# Altium PCB display.PcbDoc (part 1 of 5) (continued)
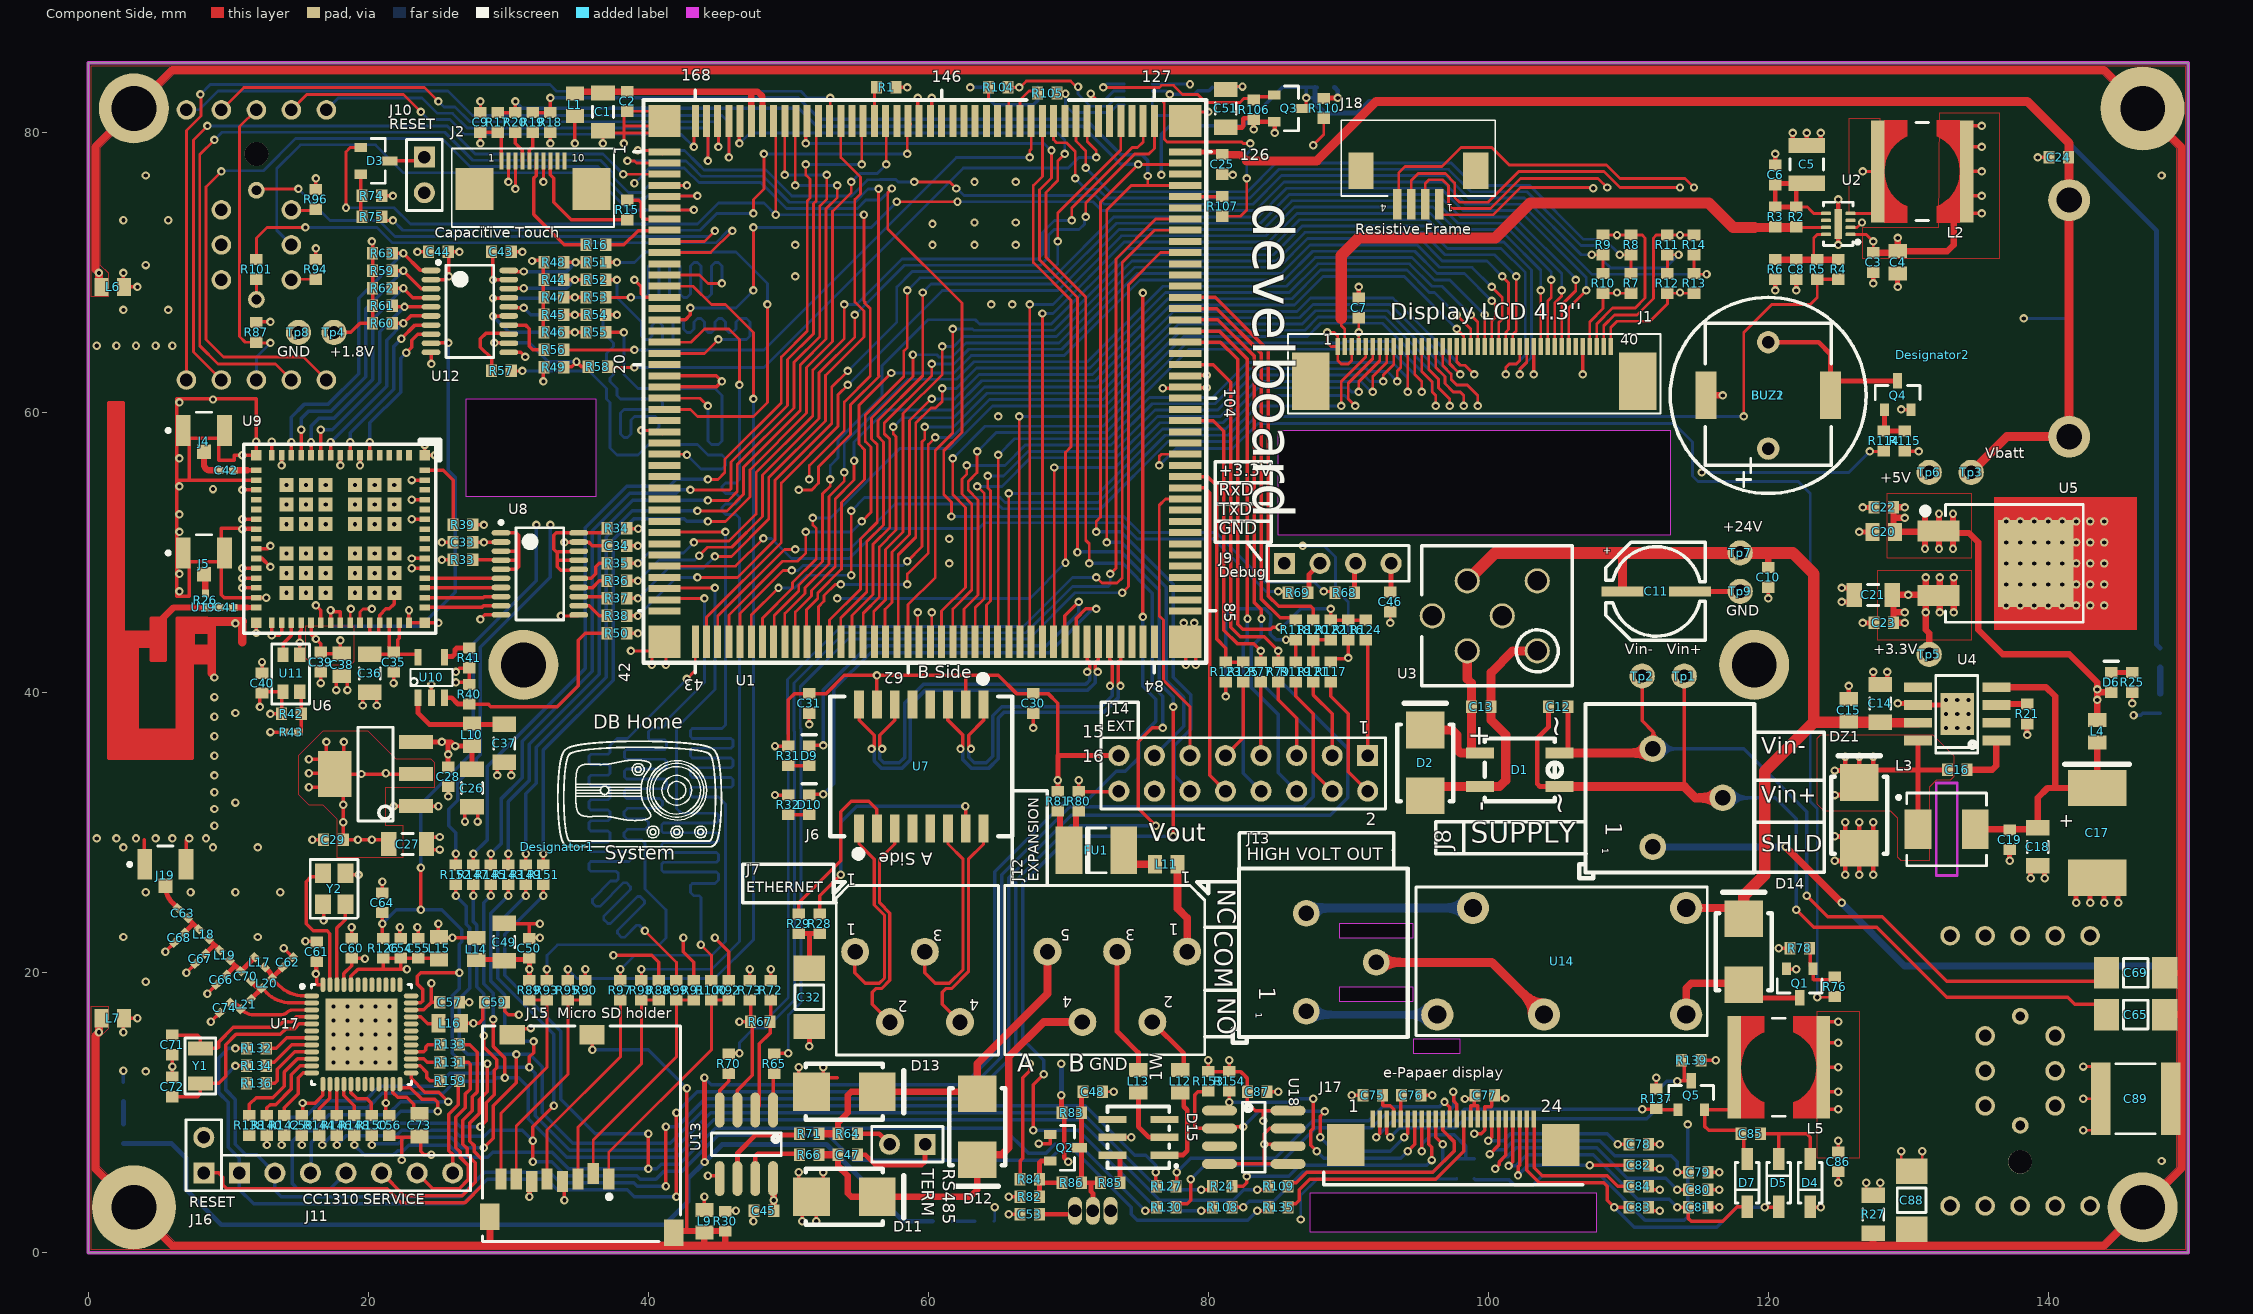
[diagram p0: Component Side view]
## Classes and differential pairs
net class Power: +1.8V +3.3V +5V +5v_out NetC35_2 sw_5V VBatt
component class supply: C10 C11 C12 C13 C14 C15 C16 C17 C18 C19 C20 C21 C22 C23 C24 C25 C26 C27 C28 C29 C65 C69 C88 C89 D1 D2 D6 DZ1 J3 L3 L4 L6 L7 R21 R25 R27 Tp1 Tp2 Tp3 Tp4 Tp5 Tp6 Tp7 Tp8 Tp9 U3 U4 U5 U6
component class connector: C45 C46 C47 C48 C49 C50 D3 D11 D12 D13 D14 D15 D? FU1 J6 J7 J8 J9 J10 J11 J12 J13 J14 J15 J16 L11 L12 L13 L14 Q1 Q2 R64 R65 R66 R67 R68 R69 R70 R71 R72 R73 R74 R75 R76 R77 R78 R79 R80 R81 R82 R83 R84 R85 R86 R87 R88 R89 R90 R91 R92 R93 R94 R95 R96 R97 R98 R99 R100 R101 S2 S3 U13 U14
component class develboard: C1 C2 L1 R1 R143 R145 R147 R149 R151 R152 U1
component class display: C3 C4 C5 C6 C7 C8 C9 C75 C76 C77 C78 C79 C80 C81 C82 C83 C84 C85 C86 C87 D4 D5 D7 J1 J2 J17 J18 L2 L5 Q5 R2 R3 R4 R5 R6 R7 R8 R9 R10 R11 R12 R13 R14 R15 R16 R17 R18 R19 R20 R22 R23 R24 R108 R109 R127 R130 R135 R137 R139 R153 R154 U2 U18
component class ethernet: C30 C31 C32 D9 D10 L9 R28 R29 R30 R31 R32 U7
component class sensor_output: BUZ1 BUZ2 C51 C52 C53 D16 D17 D18 D19 D20 D21 Q3 Q4 R102 R103 R104 R105 R106 R107 R110 R111 R112 R113 R114 R115 R116 R117 R118 R119 R120 R121 R122 R123 R124 R125 U15 U16
component class sub-1Ghz_radio: A1 C54 C55 C56 C57 C58 C59 C60 C61 C62 C63 C64 C66 C67 C68 C70 C71 C72 C73 C74 C90 C91 C92 C93 C94 J19 L15 L16 L17 L18 L19 L20 L21 L37 P1 R126 R131 R132 R133 R134 R136 R138 R140 R142 R144 R146 R148 R150 R159 U17 Y1 Y2 Y3
component class wifi: C33 C34 C35 C36 C37 C38 C39 C40 C41 C42 C43 C44 J4 J5 L10 R26 R33 R34 R35 R36 R37 R38 R39 R40 R41 R42 R43 R44 R45 R46 R47 R48 R49 R50 R51 R52 R53 R54 R55 R56 R57 R58 R59 R60 R61 R62 R63 Tp11 Tp12 Tp13 Tp14 U8 U9 U10 U11 U12 U19
net class LCD: PA0_LCDDAT0_TMS_A7 PA1_LCDDAT1_F6 PA2_LCDDAT2_G1_TXCK_E6 PA3_LCDDAT3_G1_RXCK_C6 PA4_LCDDAT4_G1_TXEN_D6 PA5_LCDDAT5_G1_TXER_B6 PA6_LCDDAT6_G1_CRS_A6 PA7_LCDDAT7_E5 PA8_LCDDAT8_TCK_A5 PA9_LCDDAT9_G1_COL_F4 PA10_LCDDAT10_G1_RXDV_F5 PA11_LCDDAT11_G1_RXER_D5 PA12_LCDDAT12_G1_RX0_G5 PA13_LCDDAT13_G1_RX1_C5 PA14_LCDDAT14_G1_TX0_E4 PA15_LCDDAT15_G1_TX1_B5 PA16_LCDDAT16_NTRST_H6 PA17_LCDDAT17_D4 PA18_LCDDAT18_G1_RX2_G4 PA19_LCDDAT19_G1_RX3_C4 PA20_LCDDAT20_G1_TX2_A3 PA21_LCDDAT21_G1_TX3_B4 PA22_LCDDAT22_G1_MDC_B3 PA23_LCDDAT23_G1_MDIO_A4 PA24_LCDPWM_PCK0_H5 PA25_LCDDISP_TD0_F3 PA26_LCDVSYNC_PWMH0_SP1_NPCS1_E3 PA27_LCDHSYNC_PWML0_SPI1_NPCS2_H4 PA28_LCDPCK_PWMH1_SP1_NPCS3_G3 PA29_LCDDEN_PWML1_J5
net class mmc_con: PE18_MCI1_CK PE19_MCI1_CDA PE20_MCI1_DA0 PE21_MCI1_DA1 PE22_MCI1_DA2 PE23_MCI1_DA3
net class mmc: PE18_TIOA5_MCI1_CK_P19 PE19_TIOB5_MCI1_CDA_N16 PE20_TCLK5_MCI1_DA0_M14 PE21_TIOA4_MCI1_DA1_M18 PE22_TIOB4_MCI1_DA2_M19 PE23_TCLK4_MCI_DA3_L18
net class SDIO_BUS: NetR44_2 NetR45_2 NetR46_2 NetR47_2 NetR48_2 NetR56_1 NetR57_1 NetR106_1
net class SDIO_LOWBUS: clk cmd d0 d1 d2 d3 irq
net class SDIO: PC4_SPI0_NPCS1_MCI0_CK_PCK1_W5_INT PE0_MCI0_CDB_CTS4_W19_INT PE1_MCI0_DB0_U17_INT PE2_MCI0_DB1_T17_INT PE3_MCI0_DB2_P16_INT PE4_MCI0_DB3_U18_INT PE8_TCLK3_PWML3_T19_INT
differential pair usb1: +usb1_p -usb1_n
differential pair usb2: +usb2_p -usb2_n
differential pair usb_otg: +usb_otg_p -usb_otg_n
differential pair crx: +crx_p -crx_n
differential pair ctx: +ctx_p -ctx_n
differential pair rx: +rx_p -rx_n
differential pair tx: +tx_p -tx_n

## Components (designator, comment, footprint, x,y, rotation, side; value= is the part's Value field where it differs from the comment)
BUZ1 "BUZZER" buzzer_14mm_thd 120,61.25 r90 top
BUZ2 "BUZZER" BUZZER_9x9MM_SMD 120,61.25 r0 top
C1 "10uF" 1206_[3216] 36.75,81.5 r270 top
C2 "100nF" 0603_[1608] 38.5,82.25 r270 top value=100pF
C3 "100nF" 0603_[1608] 127.5,70.75 r90 top value=10nF
C4 "1uF" 0805_[2012] 129.25,70.75 r90 top value=10nF
C5 "2.2uF" 1210_[3225] 122.75,77.75 r270 top value=10nF
C6 "100nF" 0603_[1608] 120.5,77 r270 top value=10nF
C7 "100nF" 0603_[1608] 90.75,67.5 r90 top value=10nF
C8 "100nF" 0603_[1608] 122,70.25 r90 top value=10nF
C9 "100nF" 0603_[1608] 28,80.75 r90 top value=10nF
C10 "100nF" 0603_[1608] 120,48.25 r90 top value=100pF
C11 "100uF" CAP_6x6_D8_SMD 112,47.25 r270 top value=10uF
C12 "100nF" 0603_[1608] 105,39 r180 top value=100pF
C13 "100nF" 0603_[1608] 99.5,39 r180 top value=100pF
C14 "10uF" 1206_[3216] 128,39.25 r90 top
C15 "1uF" 0805_[2012] 125.75,38.75 r90 top value=10uF
C16 "10nF" 0603_[1608] 133.5,34.5 r180 top value=100pF
C17 "100uF" [7343]_CAP_TAN 143.5,30 r270 top value=10uF
C18 "10uF" 1206_[3216] 139.25,29 r270 top
C19 "100nF" 0603_[1608] 137.25,29.5 r90 top value=100pF
C20 "1uF" 0805_[2012] 128.25,51.5 r180 top value=10uF
C21 "10uF" 1206_[3216] 127.5,47 r180 top
C22 "100nF" 0603_[1608] 128.25,53.25 r0 top value=100pF
C23 "100nF" 0603_[1608] 128.25,45 r0 top value=100pF
C24 "100nF" 0603_[1608] 140.75,78.25 r0 top value=100pF
C25 "100nF" 0603_[1608] 81,77.75 r90 top value=100pF
C26 "10uF" 1206_[3216] 27.4,33.2 r270 top
C27 "10uF" 1206_[3216] 22.8,29.2 r0 top
C28 "100nF" 0603_[1608] 25.7,34 r90 top value=100pF
C29 "100nF" 0603_[1608] 17.5,29.5 r0 top value=100pF
C30 "100nF" 0603_[1608] 67.5,39.25 r90 top value=100pF
C31 "100nF" 0603_[1608] 51.5,39.25 r90 top value=100pF
C32 "1nF X/Y 2kV" 1808_[4520] 51.5,18.25 r270 top
C33 "100nF" 0603_[1608] 26.75,50.75 r0 top value=10nF
C34 "100nF" 0603_[1608] 37.75,50.5 r180 top value=10nF
C35 "100nF" 0603_[1608] 21.8,42.2 r90 top value=10nF
C36 "10uF" 1206_[3216] 20.1,41.4 r90 top value=10nF
C37 "4.7uF" 1206_[3216] 29.7,36.4 r90 top value=10nF
C38 "1uF" 0805_[2012] 18.1,42 r90 top value=10nF
C39 "100nF" 0603_[1608] 16.6,42.2 r90 top value=10nF
C40 "100nF" 0603_[1608] 12.4,40.7 r270 top value=10nF
C41 "100pF" 0402_[1005] 9.85,46.1 r180 top value=10nF
C42 "100pF" 0402_[1005] 9.85,55.9 r180 top value=10nF
C43 "100nF" 0603_[1608] 29.5,71.5 r180 top value=10nF
C44 "100nF" 0603_[1608] 25,71.5 r0 top value=10nF
C45 "100nF" 0603_[1608] 48.25,3 r0 top value=100pF
C46 "100nF" 0603_[1608] 93,46.5 r270 top value=10nF
C47 "100nF" 0603_[1608] 54.25,7 r180 top value=100pF
C48 "470pF" 0603_[1608] 71.75,11.5 r0 top value=100pF
C49 "10uF" 1206_[3216] 29.7,22.2 r90 top
C50 "100nF" 0603_[1608] 31.5,21.75 r90 top value=100pF
C51 "10uF" 1206_[3216] 81.25,81.75 r90 top
C52 "100nF" 0603_[1608] 81,83.25 r180 bottom value=100pF
C53 "100nF" 0603_[1608] 67.25,2.75 r0 top value=100pF
C54 "100nF" 0603_[1608] 22.3,21.75 r270 top value=100pF
C55 "100nF" 0603_[1608] 23.55,21.75 r270 top value=100pF
C56 "100nF" 0603_[1608] 21.5,9.1 r90 top value=100pF
C57 "22nF" 0603_[1608] 25.8,17.9 r180 top value=100pF
C58 "100nF" 0603_[1608] 15.25,9.1 r90 top value=100pF
C59 "22nF" 0603_[1608] 29,17.9 r180 top value=100pF
C60 "100nF" 0603_[1608] 18.8,21.75 r270 top value=100pF
C61 "100nF" 0603_[1608] 16.3,21.5 r270 top value=100pF
C62 "3.6pF" 0402_[1005] 14.25,20.75 r225 top
C63 "100pF" 0402_[1005] 6.75,24.25 r135 top
C64 "100nF" 0603_[1608] 21,25 r270 top value=100pF
C65 "Cap X/Y 2kV" 1808_[4520] 146.25,17.015 r0 top
C66 "2.7pF" 0402_[1005] 9.5,19.5 r225 top
C67 "6.2pF" 0402_[1005] 8,21 r225 top
C68 "3pF" 0402_[1005] 6.5,22.5 r225 top
C69 "Cap X/Y 2kV" 1808_[4520] 146.25,20 r180 top
C70 "3.6pF" 0402_[1005] 11.25,19.75 r135 top
C71 "12pF" 0603_[1608] 6,14.85 r90 top value=100pF
C72 "12pF" 0603_[1608] 6,11.85 r270 top value=100pF
C73 "1uF" 0805_[2012] 23.65,9.1 r90 top value=100pF
C74 "100pF" 0402_[1005] 9.75,17.5 r225 top
C75 "1uF" 0603_[1608] 91.75,11.25 r180 top value=10nF
C76 "1uF" 0603_[1608] 94.5,11.25 r0 top value=10nF
C77 "100nF" 0603_[1608] 99.75,11.25 r0 top value=10nF
C78 "1uF" 0603_[1608] 110.75,7.75 r0 top value=10nF
C79 "1uF" 0603_[1608] 115,5.75 r0 top value=10nF
C80 "1uF" 0603_[1608] 115,4.5 r0 top value=10nF
C81 "1uF" 0603_[1608] 115,3.25 r0 top value=10nF
C82 "1uF" 0603_[1608] 110.75,6.25 r0 top value=10nF
C83 "1uF" 0603_[1608] 110.75,3.25 r0 top value=10nF
C84 "1uF" 0603_[1608] 110.75,4.75 r0 top value=10nF
C85 "100nF" 0603_[1608] 118.75,8.5 r180 top value=10nF
C86 "4.7uF" 0603_[1608] 125,6.5 r270 top value=10nF
C87 "100nF" 0603_[1608] 83.5,11.5 r0 top
C88 "1nF X/Y 2kV" 1808_[4520] 130.25,3.75 r90 top
C89 "10nF X/Y 2kV" 2220_[5650] 146.25,11 r180 top
D1 "Bridge Diode" Diode_bridge_smd 102.25,34.5 r270 top
D2 "SMBJ28A" DO214AA_K1-A2_SMB 95.5,35 r270 top
D3 "BAV70" SOT-23 20.5,78 r0 top
D4 "MBR0530" SOD-123_K2-A1 123,5 r270 top
D5 "MBR0530" SOD-123_K2-A1 120.75,5 r90 top
D6 "+5V" 0603_[1608]_K2-A1_LED 144.5,40.75 r90 top
D7 "MBR0530" SOD-123_K2-A1 118.5,5 r270 top
D9 "SPEED" 0603_[1608]_K2-A1_LED 51.5,35.5 r90 top
D10 "LINK" 0603_[1608]_K2-A1_LED 51.5,32 r90 top
D11 "SMBJ12CA" DO214AA_K1-A2_SMB 54,4 r180 top
D12 "SMBJ12CA" DO214AA_K1-A2_SMB 63.5,9 r90 top
D13 "SMBJ12CA" DO214AA_K1-A2_SMB 54,11.5 r180 top
D14 "S2B" DO214AA_K1-A2_SMB 118.25,21.5 r270 top
D15 "DS9503" TSOC6 75,8.25 r180 top
D16 "IR LED0" 0603_[1608]_K2-A1_LED 88.5,83.25 r0 bottom
D17 "IR LED1" 0603_[1608]_K2-A1_LED 61,2.25 r0 bottom
D18 "IR LED1" 0603_[1608]_K2-A1_LED 2.5,8.5 r90 bottom
D19 "IR LED1" 0603_[1608]_K2-A1_LED 148,42.5 r270 bottom
Designator1 "Comment" DB_HOME 33.5,29 r0 top
Designator2 "Comment" db_firma 131.75,64.15 r0 top
Designator10 "Comment" DB_HOME 143.75,27 r180 bottom
Designator20 "Comment" db_firma 121.75,4.15 r180 bottom
DZ1 "B340A" DO214AA_K1-A2_SMB 126.5,31.25 r270 top
FU1 "MF-MSMF030" 1812-[4532] 72,28.75 r0 top
J1 "Display LCD 4.3''" fcc-zif_40pin_0.5mm 99,63.75 r0 top locked
J2 "Capacitive Touch" fcc-zif_10pin_0.5mm 31.75,77 r0 top
J3 "Battery Holder" Battery_holder_16mm_thd 141.5,66.75 r90 bottom
J4 "Coaxial Antenna connector" U.FL_COAXIAL_2.6x2.6MM_STRAIGHT_SMD 8.25,58.75 r0 top
J5 "Coaxial Antenna connector" U.FL_COAXIAL_2.6x2.6MM_STRAIGHT_SMD 8.25,50 r0 top
J6 "ETHERNET" CON_4P_WAGO_2.5MM 59.218,20.19 r180 top
J7 "RS485 TERM" HEADER_1X2_2.54MM_THD 58.5,7.75 r180 top
J8 "SUPPLY" CON_3P_WAGO_3.5mm 114.25,32.5 r270 top
J9 "Debug" HEADER_1X4_2.54MM_THD 89.25,49.25 r0 top
J10 "RESET" HEADER_1X2_2.54MM_THD 24,77 r270 top
J11 "CC1310 SERVICE" HEADER_1X7_2.54MM_THD 18.4,5.7 r0 top locked
J12 "EXPANSION" CON_5P_WAGO_2.5MM 73.5,19 r180 top
J13 "HIGH VOLT OUT" CON_3P_WAGO_3.5mm 89.5,20.75 r270 top locked
J14 "EXT" HEADER_2X8_2.54MM_THD 82.5,34.25 r180 top
J15 "Micro SD holder" micro_sd_holder_pp 35.25,8.5 r180 top locked
J16 "RESET" HEADER_1X2_2.54MM_THD 8.24,6.97 r90 top
J17 "e-Papaer display" fcc-zif_24pin_0.5mm 97.5,7 r0 top locked
J18 "Resistive Frame" fcc-zif_4pin_1mm 95,76.1 r180 top
J19 "Coaxial Antenna connector" U.FL_COAXIAL_2.6x2.6MM_STRAIGHT_SMD 5.5,27.75 r0 top
L1 "220 ohm @ 100MHz" 0805_[2012] 34.75,82 r90 top
L2 "22uH  WE 744062220" WE-TPC-6823-X 131,77.25 r0 top
L3 "10uH  WE 74437334100" WE-LHMI_5020 132.75,30.25 r0 top value=10mH
L4 "220 ohm @ 100MHz" 0805_[2012] 143.5,37.25 r270 top
L5 "68uH" WE-TPC-6823-X 120.75,13.25 r180 top
L6 "220 ohm @ 100MHz" 0805_[2012] 1.75,69 r180 top
L7 "220 ohm @ 100MHz" 0805_[2012] 1.75,16.75 r180 top
L9 "220 ohm @ 100MHz" 0805_[2012] 44,2.25 r90 top
L10 "220 ohm @ 100MHz" 0805_[2012] 27.4,37 r270 top
L11 "220 ohm @ 100MHz" 0805_[2012] 77,27.75 r0 top value=10mH
L12 "220 ohm @ 100MHz" 0805_[2012] 78,12.25 r90 top value=10mH
L13 "220 ohm @ 100MHz" 0805_[2012] 75,12.25 r90 top value=10mH
L14 "220 ohm @ 100MHz" 0805_[2012] 27.7,21.7 r270 top
L15 "220 ohm @ 100MHz" 0805_[2012] 25.05,21.75 r90 top
L16 "6.8uH" 0805_[2012] 25.8,16.4 r180 top
L17 "7.5nH" 0402_[1005] 12.25,20.75 r135 top
L18 "6.8nH" 0402_[1005] 8.25,22.75 r135 top
L19 "6.8nH" 0402_[1005] 9.75,21.25 r135 top
L20 "27nH" 0402_[1005] 12.75,19.25 r225 top
L21 "7.5nH" 0402_[1005] 11.25,17.75 r45 top
Q1 "BC817" SOT-23 122.25,19.25 r270 top
Q2 "BSS138" sot-23 69.75,7.5 r0 top
Q3 "MOSFET P" SOT-23 85.75,81.75 r0 top
Q4 "BC817" SOT-23 129.25,61.25 r90 top
Q5 "MOSFET N" sot-23 114.5,11.25 r90 top
R1 "NP" 0603_[1608] 57,83.25 r180 top
R2 "10R 1%" 0603_[1608] 122,74 r90 top value=1K
R3 "NP" 0603_[1608] 120.5,74 r90 top value=1K
R4 "390k 1%" 0603_[1608] 125,70.25 r270 top value=1K
R5 "820k 1%" 0603_[1608] 123.5,70.25 r90 top value=1K
R6 "220k 1%" 0603_[1608] 120.5,70.25 r270 top value=1K
R7 "0R" 0603_[1608] 110.2,69.25 r90 top value=1K
R8 "NP" 0603_[1608] 110.2,72 r270 top value=1K
R9 "0R" 0603_[1608] 108.2,72 r270 top value=1K
R10 "NP" 0603_[1608] 108.2,69.25 r90 top value=1K
R11 "0R" 0603_[1608] 112.8,72 r270 top value=1K
R12 "NP" 0603_[1608] 112.8,69.25 r90 top value=1K
R13 "0R" 0603_[1608] 114.7,69.25 r90 top value=1K
R14 "NP" 0603_[1608] 114.7,72 r270 top value=1K
R15 "0R" 0603_[1608] 38.5,74.5 r90 top value=1K
R16 "0R" 0603_[1608] 36.25,72 r0 top value=1K
R17 "4K7" 0603_[1608] 29.25,80.75 r90 top value=1K
R18 "4K7" 0603_[1608] 33,80.75 r90 top value=1K
R19 "0R" 0603_[1608] 31.75,80.75 r90 top value=1K
R20 "0R" 0603_[1608] 30.5,80.75 r90 top value=1K
R21 "68k" 0603_[1608] 138.5,38.5 r90 top
R22 "22R" 0603_[1608] 99,6 r270 bottom value=1K
R23 "22R" 0603_[1608] 97.75,6 r270 bottom value=1K
R24 "22R" 0603_[1608] 81,4.75 r180 top value=1K
R25 "3k9" 0603_[1608] 146,40.75 r90 top
R26 "NP" 0402_[1005] 8.35,46.6 r270 top value=1K
R27 "10M" 1206_[3216] 127.5,2.75 r270 top
R28 "75R" 0603_[1608] 52.25,23.5 r90 top
R29 "75R" 0603_[1608] 50.75,23.5 r90 top
R30 "0R" 0603_[1608] 45.5,2.25 r90 top value=0
R31 "470R" 0603_[1608] 50,35.5 r90 top value=1K
R32 "470R" 0603_[1608] 50,32 r90 top value=1K
R33 "100k" 0603_[1608] 26.75,49.5 r180 top value=1K
R34 "100k" 0603_[1608] 37.75,51.75 r0 top value=1K
R35 "22R" 0603_[1608] 37.75,49.25 r180 top value=1K
R36 "22R" 0603_[1608] 37.75,48 r180 top value=1K
R37 "22R" 0603_[1608] 37.75,46.75 r180 top value=1K
R38 "22R" 0603_[1608] 37.75,45.5 r180 top value=1K
R39 "NP" 0603_[1608] 26.75,52 r0 top value=1K
R40 "10k" 0603_[1608] 27.2,39.9 r270 top value=1K
R41 "470R" 0603_[1608] 27.2,42.5 r270 top value=1K
R42 "0R" 0603_[1608] 14.5,38.5 r0 top value=1K
R43 "NP" 0402_[1005] 14.5,37.2 r0 top value=1K
R44 "10k" 0603_[1608] 33.25,69.5 r0 top value=1K
R45 "10k" 0603_[1608] 33.25,67 r0 top value=1K
R46 "10k" 0603_[1608] 33.25,65.75 r0 top value=1K
R47 "10k" 0603_[1608] 33.25,68.25 r0 top value=1K
R48 "10k" 0603_[1608] 33.25,70.75 r0 top value=1K
R49 "10k" 0603_[1608] 33.25,63.25 r0 top value=1K
R50 "22R" 0603_[1608] 37.75,44.25 r180 top value=1K
R51 "22R" 0603_[1608] 36.25,70.75 r0 top value=1K
R52 "22R" 0603_[1608] 36.25,69.5 r0 top value=1K
R53 "22R" 0603_[1608] 36.25,68.25 r0 top value=1K
R54 "22R" 0603_[1608] 36.25,67 r0 top value=1K
R55 "22R" 0603_[1608] 36.25,65.75 r0 top value=1K
R56 "22R" 0603_[1608] 33.25,64.5 r0 top value=1K
R57 "22R" 0603_[1608] 29.5,63 r0 top value=1K
R58 "22R" 0603_[1608] 36.4,63.3 r0 top value=1K
R59 "NP" 0603_[1608] 21,70.15 r0 top value=1K
R60 "NP" 0603_[1608] 21,66.4 r0 top value=1K
R61 "NP" 0603_[1608] 21,67.65 r0 top value=1K
R62 "NP" 0603_[1608] 21,68.9 r0 top value=1K
R63 "NP" 0603_[1608] 21,71.4 r0 top value=1K
R64 "120R" 0603_[1608] 54.25,8.5 r180 top
R65 "22R" 0603_[1608] 49,13.5 r90 top value=1K
R66 "22R" 0603_[1608] 51.5,7 r0 top
R67 "NP" 0603_[1608] 48,16.5 r180 top
R68 "22R" 0603_[1608] 89.75,47.15 r0 top value=1K
R69 "22R" 0603_[1608] 86.4,47.15 r0 top value=1K
R70 "22R" 0603_[1608] 45.75,13.5 r90 top value=1K
R71 "22R" 0603_[1608] 51.5,8.5 r0 top
R72 "10k" 0603_[1608] 48.75,18.75 r270 top
R73 "10k" 0603_[1608] 47.25,18.75 r270 top
R74 "10k" 0603_[1608] 20.25,75.5 r180 top value=1K
R75 "22R" 0603_[1608] 20.25,74 r0 top value=1K
R76 "1K" 0603_[1608] 124.75,19 r270 top
R77 "22R" 0603_[1608] 83.75,41.5 r270 top
R78 "4K7" 0603_[1608] 122.25,21.75 r0 top
R79 "22R" 0603_[1608] 85,41.5 r270 top
R80 "0R" 0603_[1608] 70.75,32.25 r90 top value=1K
R81 "NP" 0603_[1608] 69.25,32.25 r90 top value=1K
R82 "4K7" 0603_[1608] 67.25,4 r180 top
R83 "4K7" 0603_[1608] 70.25,10 r180 top
R84 "22R" 0603_[1608] 67.25,5.25 r180 top
R85 "68R" 0603_[1608] 73,5 r0 top
R86 "NP" 0603_[1608] 70.25,5 r0 top
R87 "10k" 0603_[1608] 12,65.75 r270 top
R88 "10k" 0603_[1608] 40.75,18.75 r270 top value=1K
R89 "68k" 0603_[1608] 31.5,18.75 r270 top value=1K
R90 "68k" 0603_[1608] 35.5,18.75 r270 top value=1K
R91 "68k" 0603_[1608] 43.25,18.75 r270 top value=1K
R92 "68k" 0603_[1608] 45.75,18.75 r270 top value=1K
R93 "22R" 0603_[1608] 32.75,18.75 r270 top value=1K
R94 "10k" 0603_[1608] 16.25,70.25 r270 top
R95 "22R" 0603_[1608] 34.25,18.75 r270 top value=1K
R96 "10k" 0603_[1608] 16.25,75.25 r270 top
R97 "22R" 0603_[1608] 38,18.75 r270 top value=1K
R98 "22R" 0603_[1608] 39.5,18.75 r270 top value=1K
R99 "22R" 0603_[1608] 42,18.75 r270 top value=1K
R100 "22R" 0603_[1608] 44.5,18.75 r270 top value=1K
R101 "330R" 0603_[1608] 12,70.25 r90 top
R102 "10k" 0603_[1608] 68.5,83.25 r0 bottom
R103 "10k" 0603_[1608] 65,83.25 r0 bottom
R104 "22R" 0603_[1608] 65,83.25 r180 top
R105 "22R" 0603_[1608] 68.5,82.85 r180 top
R106 "1k" 0603_[1608] 83.25,81.65 r90 top
R107 "22R" 0603_[1608] 81,74.75 r90 top
R108 "22R" 0603_[1608] 81,3.25 r180 top value=1K
R109 "22R" 0603_[1608] 85,4.75 r180 top value=1K
R110 "1k" 0603_[1608] 88.25,81.75 r270 top
R111 "1k" 0603_[1608] 64,2.25 r0 bottom
R112 "1k" 0603_[1608] 2.5,11.5 r90 bottom
R113 "1k" 0603_[1608] 148,39.25 r270 bottom
R114 "1k" 0603_[1608] 128.25,58 r270 top value=1K
R115 "47k" 0603_[1608] 129.75,58 r270 top value=1K
R116 "22R" 0603_[1608] 90,44.5 r90 top
R117 "22R" 0603_[1608] 88.75,41.5 r90 top
R118 "22R" 0603_[1608] 86.25,44.5 r90 top
R119 "22R" 0603_[1608] 86.25,41.5 r90 top
R120 "22R" 0603_[1608] 87.5,44.5 r90 top
R121 "22R" 0603_[1608] 87.5,41.5 r90 top
R122 "22R" 0603_[1608] 88.75,44.5 r90 top
R123 "22R" 0603_[1608] 81.25,41.5 r90 top
R124 "22R" 0603_[1608] 91.25,44.5 r90 top
R125 "22R" 0603_[1608] 82.5,41.5 r90 top
R126 "100k" 0603_[1608] 21.05,21.75 r90 top value=1K
R127 "22R" 0603_[1608] 77,4.75 r180 top value=1K
R130 "22R" 0603_[1608] 77,3.25 r180 top value=1K
R131 "22R" 0603_[1608] 25.8,13.6 r180 top value=1K
R132 "22R" 0603_[1608] 12,14.6 r180 top value=1K
R133 "22R" 0603_[1608] 25.8,14.9 r180 top value=1K
R134 "22R" 0603_[1608] 12,13.35 r180 top value=1K
R135 "22R" 0603_[1608] 85,3.25 r180 top value=1K
R136 "22R" 0603_[1608] 12,12.1 r180 top value=1K
R137 "10k" 0603_[1608] 112,11 r90 top value=1K
R138 "22R" 0603_[1608] 11.5,9.1 r270 top value=1K
R139 "0.47R" 0603_[1608] 114.5,13.75 r0 top value=1K
R140 "22R" 0603_[1608] 12.75,9.1 r270 top value=1K
R142 "22R" 0603_[1608] 14,9.1 r270 top value=1K
R143 "22R" 0603_[1608] 30,27 r90 top value=1K
R144 "22R" 0603_[1608] 16.5,9.1 r270 top value=1K
R145 "22R" 0603_[1608] 28.75,27 r90 top value=1K
R146 "22R" 0603_[1608] 17.75,9.1 r270 top value=1K
R147 "22R" 0603_[1608] 27.5,27 r90 top value=1K
R148 "22R" 0603_[1608] 19,9.1 r270 top value=1K
R149 "22R" 0603_[1608] 31.25,27 r90 top value=1K
R150 "22R" 0603_[1608] 20.25,9.1 r270 top value=1K
R151 "22R" 0603_[1608] 32.5,27 r90 top value=1K
R152 "22R" 0603_[1608] 26.25,27 r90 top value=1K
R153 "2k2" 0603_[1608] 80,12.25 r270 top value=1K
R154 "2k2" 0603_[1608] 81.5,12.25 r270 top value=1K
R159 "22R" 0603_[1608] 25.8,12.3 r0 top value=1K
S2 "481RV12172100" Rotary-push-button-481RV12172100 12,72 r90 bottom
S3 "481RV12172100" Rotary-push-button-481RV12172100 138,13 r270 bottom
Tp1 "Vin+" TEST_POINT_THD_D1.8MM 114,41.2 r90 top
Tp2 "Vin-" TEST_POINT_THD_D1.8MM 111,41.2 r90 top
Tp3 "Vbatt" TEST_POINT_THD_D1.8MM 134.5,55.75 r0 top
Tp4 "+1.8V" TEST_POINT_THD_D1.8MM 17.54,65.75 r0 top
Tp5 "+3.3V" TEST_POINT_THD_D1.8MM 131.5,42.75 r0 top
Tp6 "+5V" TEST_POINT_THD_D1.8MM 131.5,55.75 r0 top
Tp7 "+24V" TEST_POINT_THD_D1.8MM 118,50 r90 top
Tp8 "GND" TEST_POINT_THD_D1.8MM 15,65.75 r0 top
Tp9 "GND" TEST_POINT_THD_D1.8MM 118,47.25 r90 top
Tp11 "BT_DBG" TEST_POINT_SMD_D1MM 20,46 r90 bottom
Tp12 "WL_DBG" TEST_POINT_SMD_D1MM 18.5,46 r90 bottom
Tp13 "WL_DBG_RX" TEST_POINT_SMD_D1MM 12.75,50.5 r90 bottom
Tp14 "WL_DBG_TX" TEST_POINT_SMD_D1MM 12.75,49 r90 bottom
U1 "DevelBoard" develboard_footprint 59.75,62.25 r90 top locked
U2 "LT3591EDDB" PQFN50P300X200X75_HS-9L 125,73.5 r90 top
U3 "BNX016-01" BNX001 101,45.5 r180 top
U4 "LM22670MRE-5.0/NOPB" SOIC8_PAD 133.5,38.5 r180 top
U5 "LD29150DT33R" TO-252_D2PAK_LARGEPAD 137.612,49.25 r0 top
U6 "LM1117-18" SOT-223 20.5,34.2 r180 top
U7 "LAN TRANFORMER" LAN_TR_1.27MM_SMD 59.5,34.75 r90 top
U8 "TXB0108PW" TSOP65P640X120-20L 32.25,48.5 r0 top
U9 "WL1831MOD" WL18XX_E-13.4X13.3-N100_0.75 18,51 r180 top
U10 "FPF2124" SOT-23-5 24.5,41.1 r0 top
U11 "32.768kHz Oscillator" CRYSTAL_3.2X1.5MM_4P_SMD 14.5,41.4 r90 top
U12 "TXB0108PW" TSOP65P640X120-20L 27.25,67.25 r0 top
U13 "SN65HVD12" SOIC8 47,7.75 r270 top
U14 "Relays SPCO" RELAYS_SPDT_THD_20x10MM 105.25,20.825 r180 top
U15 "SFH 7771" QFN_SFH7771 75,82.75 r180 bottom
U16 "DS18B20_TO-92" TO-92 71.75,3 r270 bottom
U17 "CC1310F128RGZT" PQFN50P700X700X100-48N 19.5,15.6 r0 top
U18 "LM75" SOIC8 83.25,8.25 r0 top
U19 "PCB Inverted F antenna" ANTENNA_PCB_IFA 8.6,46.1 r90 top
Y1 "32.768kHz" CRYSTAL_3.2X1.5MM_2P_SMD 8,13.35 r270 top
Y2 "24MHz" CRYSTAL_3.2X2.5MM_4P_SMD 17.55,26 r90 top

## Footprints (in the part's own frame and the unit in brackets; to place one, negate y for a bottom-side part, rotate by r counter-clockwise, add the part's x,y. Pads: shape width x height; smd on the part's side, far side on the other; paste and mask are expansions set on the pad)
0402_[1005] [mm] "Chip Capacitor, Body 1.0x0.5mm, IPC High Density"
  rect 0.6x0.5 smd: 1(-0.5,0) 2(0.5,0)
  body extent -0.5,-0.25 0.5,0.25, height 0.42
0603_[1608] [mm] "Chip Capacitor, Body 1.6x0.8mm, IPC High Density"
  rect 0.8x0.9 smd: 1(-0.7,0) 2(0.7,0)
  body extent -0.75,-0.4 0.75,0.4, height 0.67
0603_[1608]_K2-A1_LED [mm] "SMD led 0603 size"
  rect 0.8x0.9 smd: 1(-0.7,0) 2(0.7,0)
  silkscreen extent 1.5,-0.5 1.5,0.5, body extent -0.8,-0.4 0.8,0.4, height 0.7
0805_[2012] [mm] "Chip Resistor, Body 2.0x1.2mm, IPC High Density"
  rect 1x1.3 smd: 1(-0.8,0) 2(0.8,0)
  body extent -1,-0.6 1,0.6, height 0.62
1206_[3216] [mm] "Chip Capacitor, Body 3.2x1.6mm, IPC High Density"
  rect 1.1x1.7 smd: 1(-1.35,0) 2(1.35,0)
  silkscreen extent -0.4,-0.75 0.4,0.75, body extent -1.7,-0.9 1.7,0.9, height 1.3
1210_[3225] [mm] "Chip Resistor, Body 3.2x2.5mm, IPC High Density"
  rect 1.1x2.6 smd: 1(-1.35,0) 2(1.35,0)
  silkscreen extent -0.4,-1.2 0.4,1.2, body extent -1.6,-1.25 1.6,1.25, height 1.7
1808_[4520] [mm] "Chip Capacitor; Body 4.5 x 2.0 mm (LxW typ)"
  rect 1.8x2.25 smd: 1(-2.075,0) 2(2.075,0)
  silkscreen extent -0.87,-1.02 0.87,1.02, body extent -2.3,-1 2.3,1, height 1.35
1812-[4532] [mm] "Chip Capacitor; Body 4.5 x 3.2 mm (LxW typ)"
  rect 1.9x3.4 smd: 1(-1.95,0) 2(1.95,0)
  silkscreen extent -0.7,-1.6 0.7,1.6, body extent -2.5,-1.5 2.5,1.5, height 2.5
2220_[5650] [mm] "Chip Capacitor, Body 5.7x5.0mm, IPC High Density"
  rect 1.4x5.2 smd: 1(-2.5,0) 2(2.5,0)
  silkscreen extent -1.4,-2.5 1.4,2.5, body extent -2.41,-2.5 2.41,2.5, height 2.05
[7343]_CAP_TAN [mm] "Capacitor, SM Tantalum; Body 7.3 x 4.3 mm (LxW typ)"
  rect 2.6x4.2 smd: 1(-3.2,0) 2(3.2,0)
  silkscreen extent -4.9,-2.3 -4.9,2.3, body extent -3.8,-2.3 3.8,2.3, height 3.1
ANTENNA_PCB_IFA [mm] "Inverted F PCB antenna for 2.4GHz"
  round 0.25 smd: 1(0,0.4)
  Component Side lines w0.25: -10.77,6.934 14.63,6.934 ; -10.77,6.934 -10.77,7.137 14.63,7.137 14.63,6.934 ; -10.77,6.934 -10.77,6.731 ; 14.63,6.934 14.63,6.731 ; -10.77,6.731 14.63,6.731 ; -10.77,6.731 -10.77,6.528 ; 14.63,6.731 14.63,6.528 ; -10.77,6.528 14.63,6.528 ; -10.77,6.528 -10.77,6.325 ; 14.63,6.528 14.63,6.325 ; -10.77,6.325 14.63,6.325 ; -10.77,6.325 -10.77,6.121 ; 14.63,6.325 14.63,6.127 -1.787,6.127 -1.787,6.121 ; -10.77,6.121 -1.787,6.121 ; -10.77,6.121 -10.77,5.918 ; -1.787,6.121 -1.787,5.918 ; -10.77,5.918 -1.787,5.918 ; -10.77,5.918 -10.77,5.715 ; -1.787,5.918 -1.787,5.715 ; -10.77,5.715 -1.787,5.715 ; -10.77,5.715 -10.77,5.512 ; -1.787,5.715 -1.787,5.512 ; -10.77,5.512 -1.787,5.512 ; -10.77,5.512 -10.77,5.309 ; -1.787,5.512 -1.787,5.309 ; -10.77,5.309 -1.787,5.309 ; -10.77,5.309 -10.77,5.105 ; -1.787,5.309 -1.787,5.105 ; -10.77,5.105 -8.787,5.105 ; -10.77,5.105 -10.77,4.902 ; -8.787,5.105 -8.787,5.127 -2.787,5.127 -2.787,5.105 ; -8.787,5.105 -8.787,4.902 ; -2.787,5.105 -1.787,5.105 ; -2.787,5.105 -2.787,4.902 ; -1.787,5.105 -1.787,4.902 ; -10.77,4.902 -8.787,4.902 ; -10.77,4.902 -10.77,4.699 ; -8.787,4.902 -8.787,4.699 ; -2.787,4.902 -1.787,4.902 ; -2.787,4.902 -2.787,4.699 ; -1.787,4.902 -1.787,4.699 ; -10.77,4.699 -8.787,4.699 ; -10.77,4.699 -10.77,4.496 ; -8.787,4.699 -8.787,4.496 ; -2.787,4.699 -1.787,4.699 ; -2.787,4.699 -2.787,4.496 ; -1.787,4.699 -1.787,4.496 ; -10.77,4.496 -8.787,4.496 ; -10.77,4.496 -10.77,4.293 ; -8.787,4.496 -8.787,4.293 ; -2.787,4.496 -1.787,4.496 ; -2.787,4.496 -2.787,4.293 ; -1.787,4.496 -1.787,4.293 ; -10.77,4.293 -8.787,4.293 ; -10.77,4.293 -10.77,4.089 ; -8.787,4.293 -8.787,4.089 ; -2.787,4.293 -1.787,4.293 ; -2.787,4.293 -2.787,4.127 -3.787,4.127 -3.787,4.089 ; -1.787,4.293 -1.787,4.127 -0.787,4.127 -0.787,4.089 ; -10.77,4.089 -8.787,4.089 ; -10.77,4.089 -10.77,3.886 ; -8.787,4.089 -8.787,3.886 ; -3.787,4.089 -0.787,4.089 ; -3.787,4.089 -3.787,3.886 ; -0.787,4.089 -0.787,3.886 ; -10.77,3.886 -8.787,3.886 ; -10.77,3.886 -10.77,3.683 ; -8.787,3.886 -8.787,3.683 ; -3.787,3.886 -0.787,3.886 ; -3.787,3.886 -3.787,3.683 ; -0.787,3.886 -0.787,3.683 ; -10.77,3.683 -8.787,3.683 ; -10.77,3.683 -10.77,3.48 ; -8.787,3.683 -8.787,3.48 ; -3.787,3.683 -0.787,3.683 ; -3.787,3.683 -3.787,3.48 ; -0.787,3.683 -0.787,3.48 ; -10.77,3.48 -8.787,3.48 ; -10.77,3.48 -10.77,3.277 ; -8.787,3.48 -8.787,3.277 ; -3.787,3.48 -0.787,3.48 ; -3.787,3.48 -3.787,3.277 ; -0.787,3.48 -0.787,3.309 -0.787,3.277 ; -10.77,3.277 -8.787,3.277 ; -10.77,3.277 -10.77,3.073 ; -8.787,3.277 -8.787,3.073 ; -3.787,3.277 -0.787,3.277 ; -3.787,3.277 -3.787,3.127 -0.787,3.127 -0.787,3.277 ; -10.77,3.073 -8.787,3.073 ; -10.77,3.073 -10.77,2.87 ; -8.787,3.073 -8.787,2.87 ; -10.77,2.87 -8.787,2.87 ; -10.77,2.87 -10.77,2.667 ; -8.787,2.87 -8.787,2.667 ; -10.77,2.667 -8.787,2.667 ; -10.77,2.667 -10.77,2.464 ; -8.787,2.667 -8.787,2.464 ; -10.77,2.464 -8.787,2.464 ; -10.77,2.464 -10.77,2.261 ; -8.787,2.464 -8.787,2.261 ; -10.77,2.261 -10.77,2.057 ; -10.77,2.261 -8.787,2.261 ; -8.787,2.261 -0.787,2.261 ; -8.787,2.261 -0.787,2.261 ; -0.787,2.261 -0.787,2.057 ; -10.77,2.057 -0.787,2.057 ; -10.77,2.057 -10.77,1.854 ; -0.787,2.057 -0.787,1.854 ; -10.77,1.854 -0.787,1.854 ; -10.77,1.854 -10.77,1.651 ; -0.787,1.854 -0.787,1.651 ; -10.77,1.651 -0.787,1.651 ; -10.77,1.651 -10.77,1.448 ; -0.787,1.651 -0.787,1.448 ; -10.77,1.448 -0.787,1.448 ; -10.77,1.448 -10.77,1.245 ; -0.787,1.448 -0.787,1.245 ; -10.77,1.245 -0.787,1.245 ; -10.77,1.245 -10.77,1.194 -10.236,1.194 -3.937,1.168 -3.937,1.041 ; -0.787,1.245 -0.787,1.041 ; -3.937,1.041 -2.787,1.041 ; -3.937,1.041 -3.937,0.838 ; -2.787,1.041 -2.787,1.127 -1.787,1.127 -1.787,1.041 ; -2.787,1.041 -2.787,0.838 ; -1.787,1.041 -0.787,1.041 ; -1.787,1.041 -1.787,0.838 ; -0.787,1.041 -0.787,0.838 ; -3.937,0.838 -2.787,0.838 ; -3.937,0.838 -3.937,0.635 ; -2.787,0.838 -2.787,0.635 ; -1.787,0.838 -0.787,0.838 ; -1.787,0.838 -1.787,0.635 ; -0.787,0.838 -0.787,0.635 ; -3.937,0.635 -2.787,0.635 ; -3.937,0.635 -3.937,0.432 ; -2.787,0.635 -2.787,0.432 ; -1.787,0.635 -0.787,0.635 ; -1.787,0.635 -1.787,0.432 ; -0.787,0.635 -0.787,0.432 ; -3.937,0.432 -2.787,0.432 ; -3.937,0.432 -3.937,0.229 ; -2.787,0.432 -2.787,0.229 ; -1.787,0.432 -0.787,0.432 ; -1.787,0.432 -1.787,0.229 ; -0.787,0.432 -0.787,0.229 ; -3.937,0.229 -2.787,0.229 ; -3.937,0.229 -3.937,0.127 -2.787,0.127 -2.787,0.229 ; -1.787,0.229 -0.787,0.229 ; -1.787,0.229 -1.787,0.127 -0.787,0.127 -0.787,0.229
  Component Side lines w0.457: -0.854,3.375 -0.787,3.309 0,2.521 0,1.1 ; 0,0.4 0,0.7 ; 0,1.1 0,0.7 ; 0,1.1 0,0.7
Battery_holder_16mm_thd [mm] "Coin Battery CR1612/1616/1620/1632 (3013, Keystone)"
  round 5 smd: NEG(0,0)
  round 3 hole 1.8: P1(-8.45,0) P2(8.45,0)
  silkscreen extent -8.5,-8.3 8.5,8, body extent -9.44,-7.5 8.5,7.84, height 4
BNX001 [mm]
  round 1.8 hole 1.4: 1(2.5,2.5) 2(-2.5,2.5) 3(2.5,-2.5) 4(0,0) 5(5,0) 6(-2.5,-2.5)
  silkscreen extent -5,-5 5.76,5, body extent -6,-5.5 6,5.5, height 8
BUZZER_9x9MM_SMD [mm]
  rect 1.5x3.4 smd: 1(-4.45,0) 2(4.45,0)
  silkscreen extent -4.5,-5 4.5,5.15, body extent -4.25,-4.25 4.25,4.25, height 2.05
buzzer_14mm_thd [mm]
  round 1.6 hole 0.9: 1(-3.8,0) 2(3.8,0)
  silkscreen extent -7,-7 7,7, body extent -7,-7 7,7, height 7.4
CAP_6x6_D8_SMD [mm] "SMD Capacitor 6x6mm"
  rect 0.7x3 smd: 1(0,-2.4) 2(0,2.4)
  silkscreen extent -3.5,-3.6 3.5,3.5, body extent -3.3,-3.5 3.3,3.5, height 7.7
CON_3P_WAGO_3.5mm [mm] "Connector WAGO_PCB 3.5MM 3"
  round 1.9 hole 1.1: 1(3.5,-2.5) 2(0,2.5) 3(-3.5,-2.5)
  silkscreen extent -6.7,-7.75 5.75,4.75, body extent -6.7,-7.2 5.3,4.8, height 12.68
CON_4P_WAGO_2.5MM [mm]
  round 2 hole 1.1: 1(4.447,-1.31) 2(1.957,3.71) 3(-0.532,-1.31) 4(-3.046,3.71)
  silkscreen extent -5.8,-6.29 5.97,6.05, body extent -5.75,-6.05 5.75,5.95, height 13.1
CON_5P_WAGO_2.5MM [mm]
  round 2 hole 1.1: 1(-4.989,-2.51) 2(-2.504,2.51) 3(0.011,-2.51) 4(2.5,2.51) 5(4.989,-2.51)
  silkscreen extent -6.5,-7.49 8.04,4.85, body extent -6.19,-7.25 7.81,4.75, height 13.2
CRYSTAL_3.2X1.5MM_2P_SMD [mm] "SMD cristal 2 pin"
  rect 1x1.8 smd: 1(-1.25,0) 2(1.25,0)
  silkscreen extent -2,-1.1 2,1.1, body extent -1.6,-0.75 1.6,0.75, height 0.8
CRYSTAL_3.2X1.5MM_4P_SMD [mm] "SMD cristal/oscillator 4 pin"
  rect 1.05x0.8 smd: 1(-1.325,-0.6) 2(1.325,-0.6) 3(1.325,0.6) 4(-1.325,0.6)
  silkscreen extent -2.2,-1.3 2.1,1.4, body extent -1.6,-0.8 1.6,0.8, height 0.8
CRYSTAL_3.2X2.5MM_4P_SMD [mil] "quarz crystal smd 4 lead"
  rect 55.1x45.27 smd: 1(-43.3,-31.5) 2(43.3,-31.5) 3(43.3,31.5) 4(-43.3,31.5)
  silkscreen extent -83,-67 83,67, body extent -63,-49 63,49, height 31
db_firma [mm]
DB_HOME [mm]
  silkscreen extent 0.03,0 11.72,7.54
develboard_footprint [mm] "Develer srl - DevelBoard Footprint 38x38mm"
  rect 0.5x2.3 smd: 1(16.4,18.6) 2(15.6,18.6) 3(14.8,18.6) 4(14,18.6) 5(13.2,18.6) 6(12.4,18.6) 7(11.6,18.6) 8(10.8,18.6) 9(10,18.6) 10(9.2,18.6) 11(8.4,18.6) 12(7.6,18.6) 13(6.8,18.6) 14(6,18.6) 15(5.2,18.6) 16(4.4,18.6) 17(3.6,18.6) 18(2.8,18.6) 19(2,18.6) 20(1.2,18.6) 21(0.4,18.6) 22(-0.4,18.6) 23(-1.2,18.6) 24(-2,18.6) 25(-2.8,18.6) 26(-3.6,18.6) 27(-4.4,18.6) 28(-5.2,18.6) 29(-6,18.6) 30(-6.8,18.6) 31(-7.6,18.6) 32(-8.4,18.6) 33(-9.2,18.6) 34(-10,18.6) 35(-10.8,18.6) 36(-11.6,18.6) 37(-12.4,18.6) 38(-13.2,18.6) 39(-14,18.6) 40(-14.8,18.6) 41(-15.6,18.6) 42(-16.4,18.6) 85(-16.4,-18.6) 86(-15.6,-18.6) 87(-14.8,-18.6) 88(-14,-18.6) 89(-13.2,-18.6) 90(-12.4,-18.6) 91(-11.6,-18.6) 92(-10.8,-18.6) 93(-10,-18.6) 94(-9.2,-18.6) 95(-8.4,-18.6) 96(-7.6,-18.6) 97(-6.8,-18.6) 98(-6,-18.6) 99(-5.2,-18.6) 100(-4.4,-18.6) 101(-3.6,-18.6) 102(-2.8,-18.6) 103(-2,-18.6) 104(-1.2,-18.6) 105(-0.4,-18.6) 106(0.4,-18.6) 107(1.2,-18.6) 108(2,-18.6) 109(2.8,-18.6) 110(3.6,-18.6) 111(4.4,-18.6) 112(5.2,-18.6) 113(6,-18.6) 114(6.8,-18.6) 115(7.6,-18.6) 116(8.4,-18.6) 117(9.2,-18.6) 118(10,-18.6) 119(10.8,-18.6) 120(11.6,-18.6) 121(12.4,-18.6) 122(13.2,-18.6) 123(14,-18.6) 124(14.8,-18.6) 125(15.6,-18.6) 126(16.4,-18.6)
  rect 2.3x0.5 smd: 43(-18.6,16.4) 44(-18.6,15.6) 45(-18.6,14.8) 46(-18.6,14) 47(-18.6,13.2) 48(-18.6,12.4) 49(-18.6,11.6) 50(-18.6,10.8) 51(-18.6,10) 52(-18.6,9.2) 53(-18.6,8.4) 54(-18.6,7.6) 55(-18.6,6.8) 56(-18.6,6) 57(-18.6,5.2) 58(-18.6,4.4) 59(-18.6,3.6) 60(-18.6,2.8) 61(-18.6,2) 62(-18.6,1.2) 63(-18.6,0.4) 64(-18.6,-0.4) 65(-18.6,-1.2) 66(-18.6,-2) 67(-18.6,-2.8) 68(-18.6,-3.6) 69(-18.6,-4.4) 70(-18.6,-5.2) 71(-18.6,-6) 72(-18.6,-6.8) 73(-18.6,-7.6) 74(-18.6,-8.4) 75(-18.6,-9.2) 76(-18.6,-10) 77(-18.6,-10.8) 78(-18.6,-11.6) 79(-18.6,-12.4) 80(-18.6,-13.2) 81(-18.6,-14) 82(-18.6,-14.8) 83(-18.6,-15.6) 84(-18.6,-16.4) 127(18.6,-16.4) 128(18.6,-15.6) 129(18.6,-14.8) 130(18.6,-14) 131(18.6,-13.2) 132(18.6,-12.4) 133(18.6,-11.6) 134(18.6,-10.8) 135(18.6,-10) 136(18.6,-9.2) 137(18.6,-8.4) 138(18.6,-7.6) 139(18.6,-6.8) 140(18.6,-6) 141(18.6,-5.2) 142(18.6,-4.4) 143(18.6,-3.6) 144(18.6,-2.8) 145(18.6,-2) 146(18.6,-1.2) 147(18.6,-0.4) 148(18.6,0.4) 149(18.6,1.2) 150(18.6,2) 151(18.6,2.8) 152(18.6,3.6) 153(18.6,4.4) 154(18.6,5.2) 155(18.6,6) 156(18.6,6.8) 157(18.6,7.6) 158(18.6,8.4) 159(18.6,9.2) 160(18.6,10) 161(18.6,10.8) 162(18.6,11.6) 163(18.6,12.4) 164(18.6,13.2) 165(18.6,14) 166(18.6,14.8) 167(18.6,15.6) 168(18.6,16.4)
  rect 2.3x2.3 smd: GND(-18.6,-18.6) GND(-18.6,18.6) GND(18.6,-18.6) GND(18.6,18.6)
  silkscreen extent -20.8,-20.8 20.8,20.8, body extent -19.1,-19 18.9,19, height 2.35
Diode_bridge_smd [mm] "Full diode bridge smd"
  rect 0.8x2 smd: +(-1.2,-2.85) -(1.2,-2.85) AC1(-1.2,2.85) AC2(1.2,2.85)
  silkscreen extent -2.25,-2.5 2.25,3, body extent -2.25,-2.5 2.25,2.5, height 3
DO214AA_K1-A2_SMB [mil]
  rect 103x108 smd: 1(-92.5,0) 2(92.5,0)
  silkscreen extent -167,-79 108,79, body extent -110,-78 110,78, height 106
fcc-zif_4pin_1mm [mm] "4 pins"
  rect 0.6x2.2 smd: 1(-1.5,1.2) 2(-0.5,1.2) 3(0.5,1.2) 4(1.5,1.2)
  rect 1.8x2.6 smd: Z1(-4.1,-1.2) Z2(4.1,-1.2)
  silkscreen extent -5.5,-4.8 5.5,0.6, body extent -5.5,-4.8 5.5,2.3, height 2.97
fcc-zif_10pin_0.5mm [mm] "10 pins"
  rect 0.3x1.2 smd: 1(-2.25,0.99) 2(-1.75,0.99) 3(-1.25,0.99) 4(-0.75,0.99) 5(-0.25,0.99) 6(0.25,0.99) 7(0.75,0.99) 8(1.25,0.99) 9(1.75,0.99) 10(2.25,0.99)
  rect 2.7x3 smd: Z1(-4.18,-0.99) Z2(4.18,-0.99)
  silkscreen extent -5.8,-3.71 5.8,1.89, body extent -5.7,-3.71 5.7,1.39, height 2.06
fcc-zif_24pin_0.5mm [mm] "ZIF Connectors, Horizontal, Top Contact, pitch 0.5mm, 22p"
  rect 0.3x1.2 smd: 1(-5.75,2.56) 2(-5.25,2.56) 3(-4.75,2.56) 4(-4.25,2.56) 5(-3.75,2.56) 6(-3.25,2.56) 7(-2.75,2.56) 8(-2.25,2.56) 9(-1.75,2.56) 10(-1.25,2.56) 11(-0.75,2.56) 12(-0.25,2.56) 13(0.25,2.56) 14(0.75,2.56) 15(1.25,2.56) 16(1.75,2.56) 17(2.25,2.56) 18(2.75,2.56) 19(3.25,2.56) 20(3.75,2.56) 21(4.25,2.56) 22(4.75,2.56) 23(5.25,2.56) 24(5.75,2.56)
  rect 2.7x3 smd: MH1(-7.68,0.7) MH2(7.68,0.7)
  silkscreen extent -9.25,-2.15 9.25,-1.25, body extent -9.2,-2.15 9.2,2.95, height 2.1
fcc-zif_40pin_0.5mm [mm] "40 pins"
  rect 0.3x1.2 smd: 1(-9.75,0.99) 2(-9.25,0.99) 3(-8.75,0.99) 4(-8.25,0.99) 5(-7.75,0.99) 6(-7.25,0.99) 7(-6.75,0.99) 8(-6.25,0.99) 9(-5.75,0.99) 10(-5.25,0.99) 11(-4.75,0.99) 12(-4.25,0.99) 13(-3.75,0.99) 14(-3.25,0.99) 15(-2.75,0.99) 16(-2.25,0.99) 17(-1.75,0.99) 18(-1.25,0.99) 19(-0.75,0.99) 20(-0.25,0.99) 21(0.25,0.99) 22(0.75,0.99) 23(1.25,0.99) 24(1.75,0.99) 25(2.25,0.99) 26(2.75,0.99) 27(3.25,0.99) 28(3.75,0.99) 29(4.25,0.99) 30(4.75,0.99) 31(5.25,0.99) 32(5.75,0.99) 33(6.25,0.99) 34(6.75,0.99) 35(7.25,0.99) 36(7.75,0.99) 37(8.25,0.99) 38(8.75,0.99) 39(9.25,0.99) 40(9.75,0.99)
  rect 2.7x4.1 smd: Z1(-11.68,-1.5) Z2(11.68,-1.5)
  silkscreen extent -13.3,-3.8 13.3,1.89, body extent -13.2,-3.8 13.2,1.3, height 2.06
HEADER_1X2_2.54MM_THD [mm] "Connector; Header; 2 Position"
  rect 1.5x1.5 hole 0.9: 1(-1.27,0)
  round 1.5 hole 0.9: 2(1.27,0)
  silkscreen extent -2.54,-1.27 2.54,1.27, body extent -2.54,-1.25 2.44,1.25, height 8.2
HEADER_1X4_2.54MM_THD [mm] "Connector; Header; 4 Position"
  rect 1.5x1.5 hole 0.9: 1(-3.81,0)
  round 1.5 hole 0.9: 2(-1.27,0) 3(1.27,0) 4(3.81,0)
  silkscreen extent -5.08,-1.27 5.08,1.27, body extent -5.08,-1.25 4.98,1.25, height 8.2
HEADER_1X7_2.54MM_THD [mm] "Connector; Header; 8 Position"
  rect 1.5x1.5 hole 0.9: 1(-7.62,0)
  round 1.5 hole 0.9: 2(-5.08,0) 3(-2.54,0) 4(0,0) 5(2.54,0) 6(5.08,0) 7(7.62,0)
  silkscreen extent -8.89,-1.27 8.89,1.27
HEADER_2X8_2.54MM_THD [mm] "pin header 2.54mm 2row 16pin"
  rect 1.5x1.5 hole 0.9: 1(-8.89,-1.27)
  round 1.5 hole 0.9: 2(-8.89,1.27) 3(-6.35,-1.27) 4(-6.35,1.27) 5(-3.81,-1.27) 6(-3.81,1.27) 7(-1.27,-1.27) 8(-1.27,1.27) 9(1.27,-1.27) 10(1.27,1.27) 11(3.81,-1.27) 12(3.81,1.27) 13(6.35,-1.27) 14(6.35,1.27) 15(8.89,-1.27) 16(8.89,1.27)
  silkscreen extent -10.16,-2.54 10.16,2.54, body extent -10.16,-2.54 10.16,2.54, height 8.54
LAN_TR_1.27MM_SMD [mm] "WE lan transformer pitch 1.27mm"
  rect 2x0.7 smd: 1(-4.43,4.445) 2(-4.43,3.175) 3(-4.43,1.905) 4(-4.43,0.635) 5(-4.43,-0.635) 6(-4.43,-1.905) 7(-4.43,-3.175) 8(-4.43,-4.445) 9(4.43,-4.445) 10(4.43,-3.175) 11(4.43,-1.905) 12(4.43,-0.635) 13(4.43,0.635) 14(4.43,1.905) 15(4.43,3.175) 16(4.43,4.445)
  silkscreen extent -6.5,-6.5 6.5,6.5, body extent -4.7,-6.35 4.7,6.35, height 6.29
micro_sd_holder_pp [mm] "WR-CRD Micro SD_Push and Push_Card Detection_8 pins"
  rect 0.8x1.5 smd: 1(-1.915,3.225) 2(-0.815,2.825) 3(0.285,3.225) 4(1.385,3.425) 5(2.485,3.225) 6(3.585,3.425) 7(4.685,3.225) 8(5.785,3.225)
  rect 1.4x1.9 smd: Z1(-6.575,7.075) Z2(6.575,5.925)
  rect 1.8x1.4 smd: Z3(-0.715,-7.075) Z4(4.975,-7.075)
  silkscreen extent -7.05,-7.7 7.1,7.7, body extent -6.97,-7.63 7.03,7.58, height 1.84
PQFN50P300X200X75_HS-9L [mm] "PQFN, 8-Leads, Body 3,00x2,00mm, Pitch 0,50mm, Thermal Pad 2,15x0,56mm, IPC High Density"
  rrect50% 0.25x0.7 smd: 1(-0.75,-0.875) 2(-0.25,-0.875) 3(0.25,-0.875) 4(0.75,-0.875) 5(0.75,0.875) 6(0.25,0.875) 7(-0.25,0.875) 8(-0.75,0.875)
  rect 2.15x0.56 smd: 9(0,0)
  silkscreen extent -1.55,-1.53 1.55,1.05, body extent -1.55,-1.05 1.55,1.05, height 0.75